# Altium PCB freq_conv_test_unit_pcb (2).PcbDoc
Units mm, origin at the board's own origin, x right, y up, seen from the top; angles counter-clockwise.
Board outline 171.32 x 127.1 mm, 2 copper layers (Top Layer, Bottom Layer), stack 1.671 mm thick; 110 components, 67 nets, 300 pads, 0 vias.
Unrouted connection lines stored in the file: 154.
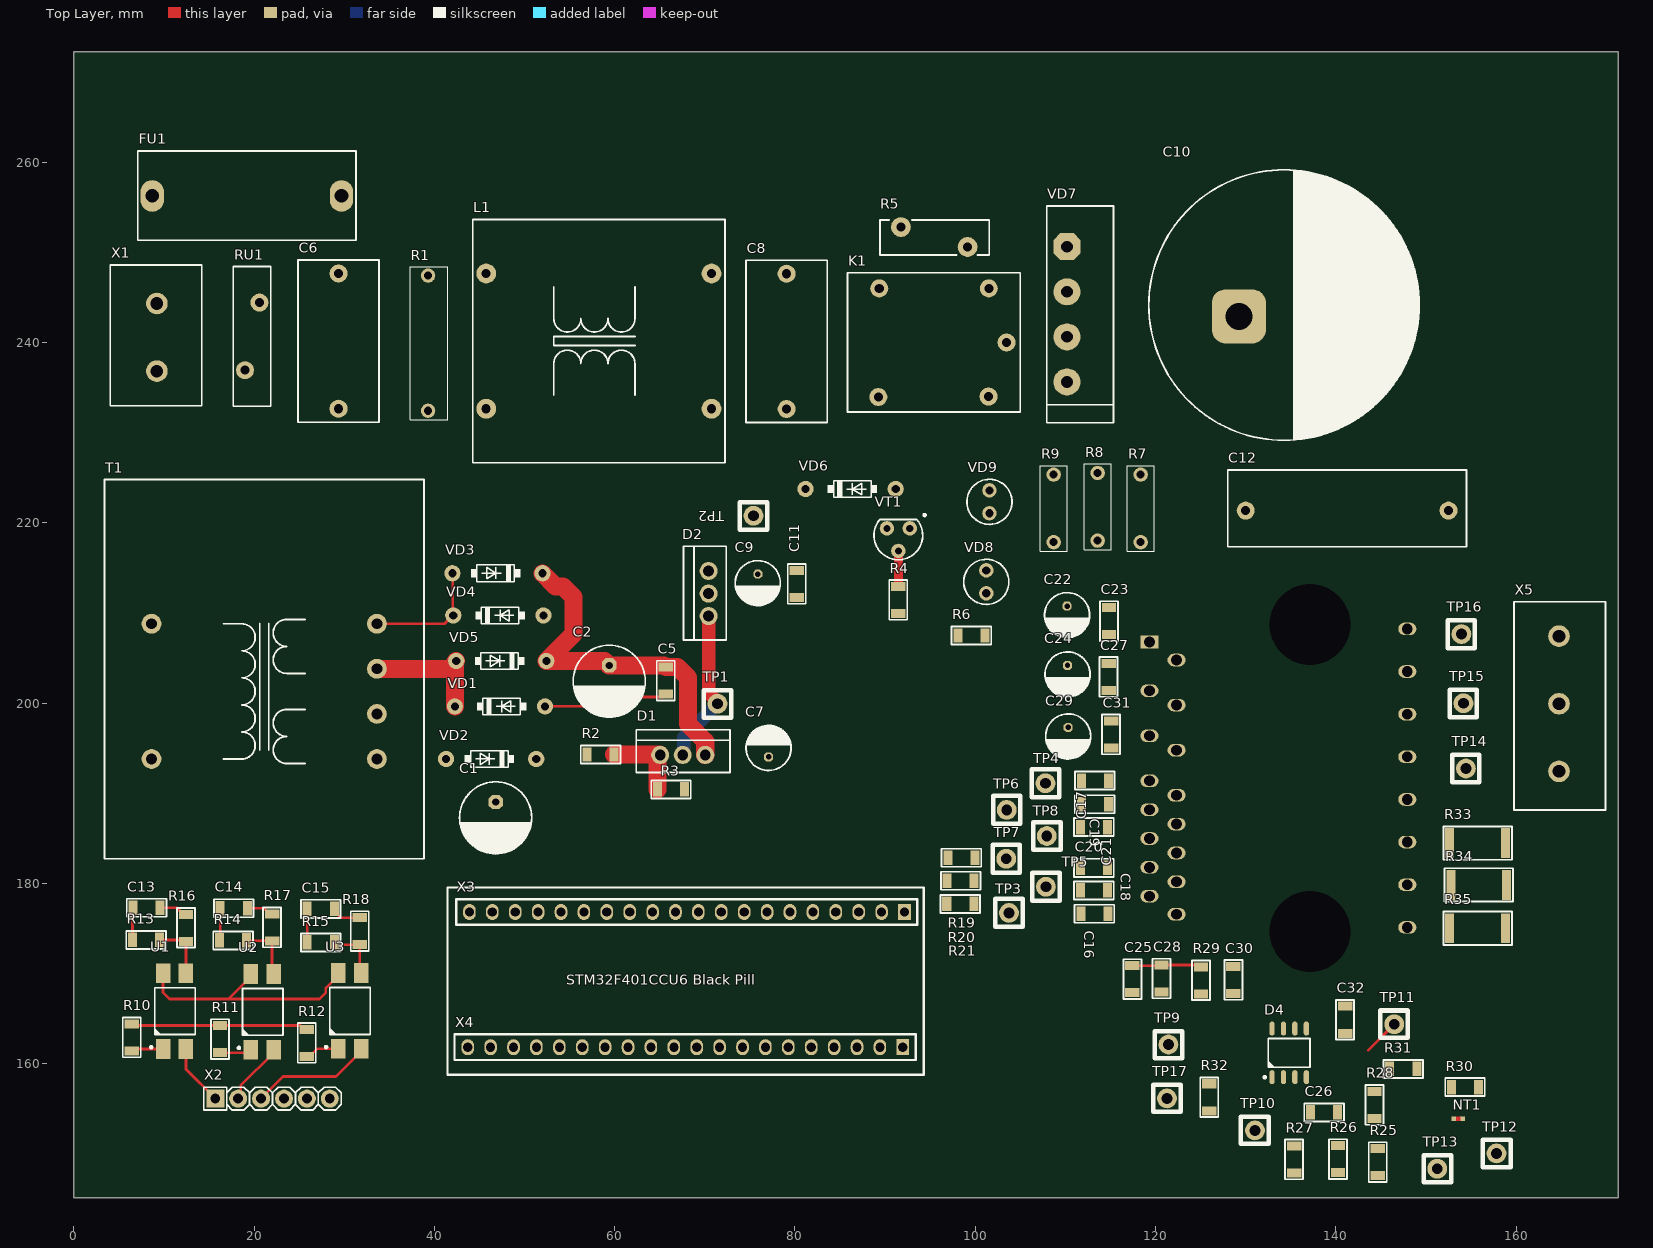
[diagram p0: Top Layer view]
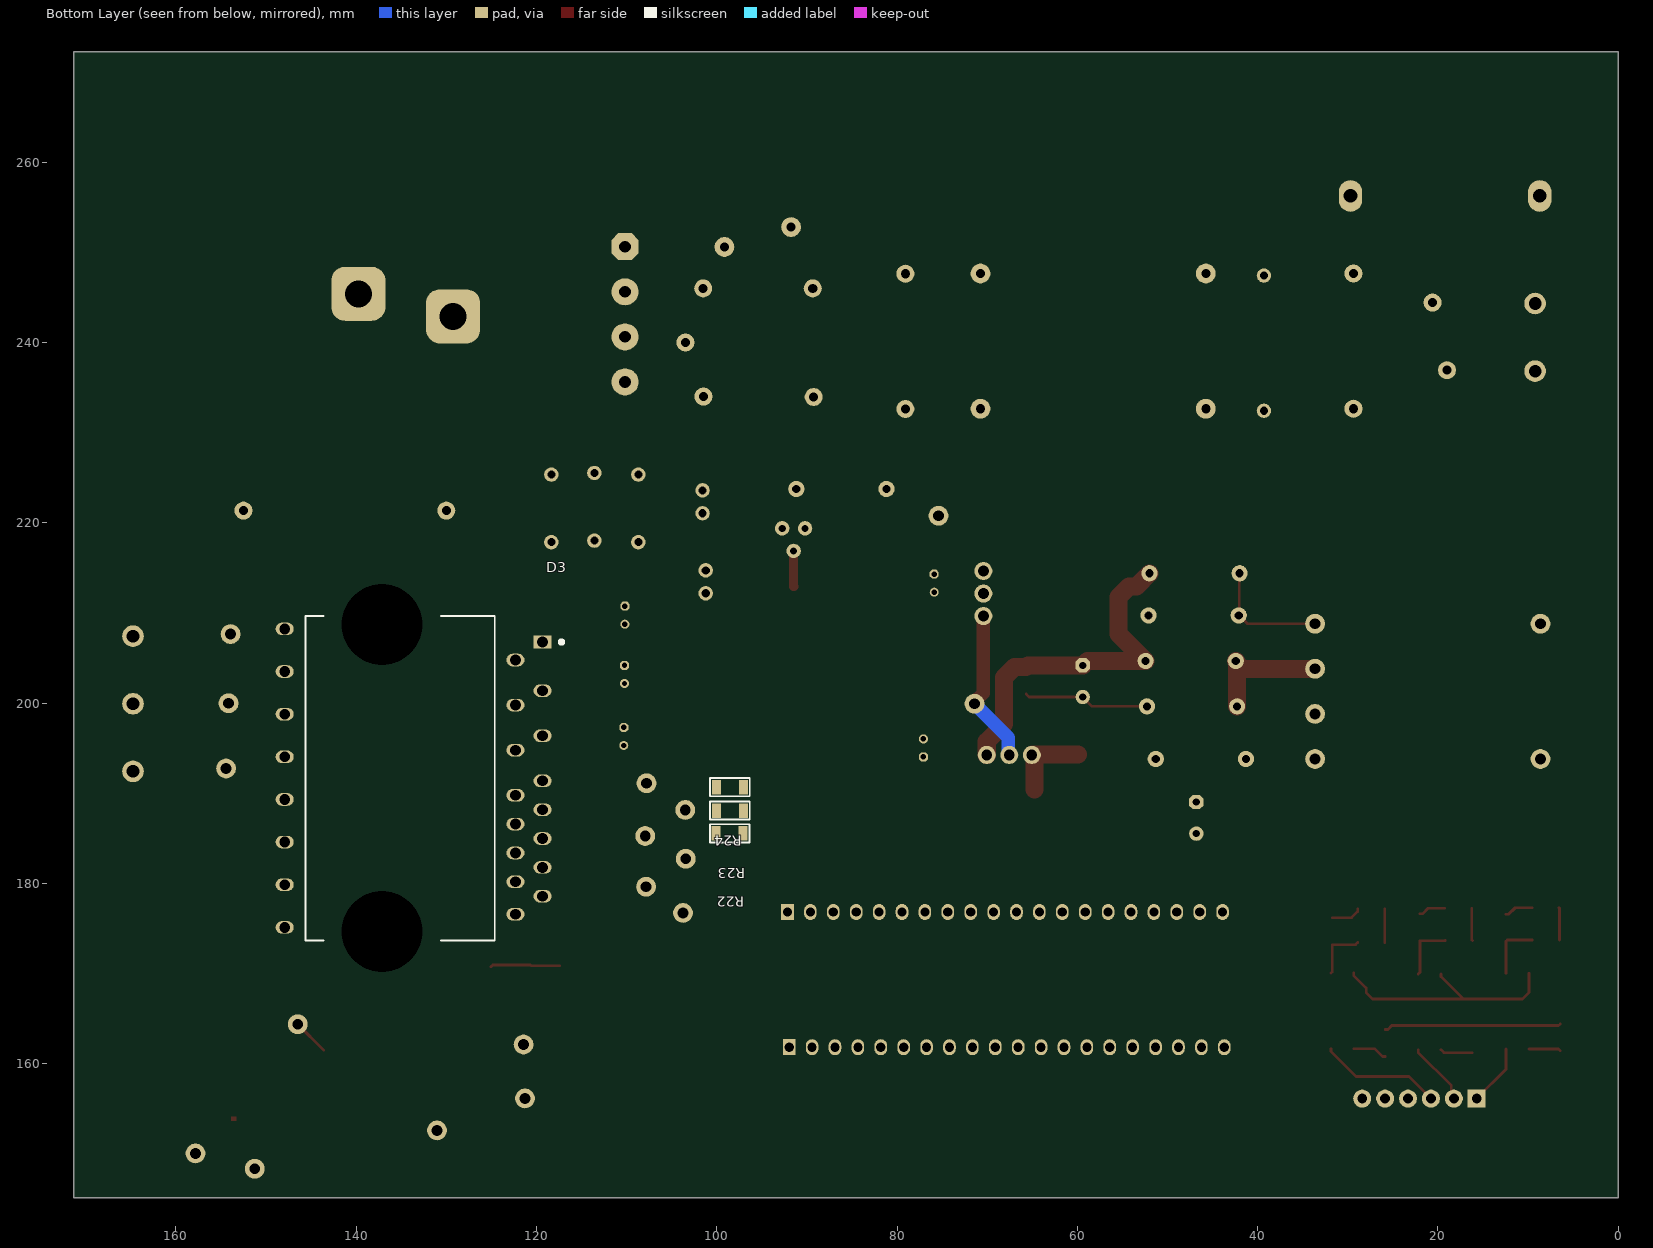
[diagram p1: Bottom Layer view, seen from below]

## Layer stack, top to bottom
Top Solder: solder mask 0.0102, Solder Resist, Dk 3.5
Top Layer: signal copper 0.0356
Dielectric 1: dielectric 1.6, FR-4, Dk 4.8
Bottom Layer: signal copper 0.0356
Bottom Solder: solder mask 0.0102, Solder Resist, Dk 3.5

## Board outline
0,145.15 0,272.25 171.325,272.25 171.325,145.15

## Design rules (kind name [scope] priority, off if disabled: settings)
AcuteAngle [All] p1: minimum=3.50000000000000E+0001 checktracksonly=FALSE
BoardOutlineClearance "BoardOutlineClearance 1" [All] p1: gap=0.25 ignorepadtopadclearanceinfootprint=FALSE except(0: Arc-SplitContinuation Track-SplitContinuation SMDPad-SplitContinuation THPad-SplitContinuation Via-SplitContinuation Fill-SplitContinuation Poly-SplitContinuation Region-SplitContinuation Text-SplitContinuation) // Milling
BoardOutlineClearance "BoardOutlineClearance 2" [All] p2: gap=0.4 ignorepadtopadclearanceinfootprint=FALSE except(0: Arc-SplitContinuation Track-SplitContinuation SMDPad-SplitContinuation THPad-SplitContinuation Via-SplitContinuation Fill-SplitContinuation Poly-SplitContinuation Region-SplitContinuation Text-SplitContinuation) // V-Cut
Clearance Clearance_jlcpcb [All] p1: gap=0.254 ignorepadtopadclearanceinfootprint=FALSE except(0.127: Arc-Arc Arc-Track Track-Track SMDPad-SMDPad; 0.15: Arc-Text Track-Text SMDPad-Text THPad-Text Via-Text Fill-Text Poly-Text Region-Text Text-Text; 0.203: Arc-SMDPad Track-SMDPad SMDPad-THPad; 0.33: THPad-Via; 0.5: THPad-THPad) // Standart
Clearance "Clearance 3 Oz" [All] p2: gap=0.35 ignorepadtopadclearanceinfootprint=FALSE except(0.25: Arc-Hole Track-Hole SMDPad-Hole THPad-Hole Via-Hole Fill-Hole Poly-Hole Region-Hole Text-Hole)
Clearance "Clearance 2 Oz" [All] p3: gap=0.3 ignorepadtopadclearanceinfootprint=FALSE except(0.25: Arc-Hole Track-Hole SMDPad-Hole THPad-Hole Via-Hole Fill-Hole Poly-Hole Region-Hole Text-Hole)
Clearance "Clearance-1 1 Oz" [All] p4: gap=0.2 ignorepadtopadclearanceinfootprint=FALSE except(0.25: Arc-Hole Track-Hole SMDPad-Hole THPad-Hole Via-Hole Fill-Hole Poly-Hole Region-Hole Text-Hole) // Standart
Clearance "Clearance-2 1 Oz" [All] p5: gap=0.15 ignorepadtopadclearanceinfootprint=FALSE except(0.2: Arc-Fill Arc-Poly Track-Fill Track-Poly SMDPad-Fill SMDPad-Poly THPad-Fill THPad-Poly Via-Fill Via-Poly Fill-Fill Fill-Poly Poly-Poly; 0.25: Arc-Hole Track-Hole SMDPad-Hole THPad-Hole Via-Hole Fill-Hole Poly-Hole Region-Hole Text-Hole) // Advance
Clearance "Clearance-1 1/2 Oz" [All] p6: gap=0.125 ignorepadtopadclearanceinfootprint=FALSE except(0.2: Arc-Fill Arc-Poly Track-Fill Track-Poly SMDPad-SMDPad SMDPad-Fill SMDPad-Poly THPad-Fill THPad-Poly Via-Fill Via-Poly Fill-Fill Fill-Poly Poly-Poly Poly-Region Poly-Text; 0.25: Arc-Hole Track-Hole SMDPad-Hole THPad-Hole Via-Hole Fill-Hole Poly-Hole Region-Hole Text-Hole) // Standart
Clearance "Clearance-2 1/2 Oz" [All] p7: gap=0.1 ignorepadtopadclearanceinfootprint=FALSE except(0.15: Arc-Fill Arc-Poly Track-Fill Track-Poly SMDPad-SMDPad SMDPad-Fill SMDPad-Poly THPad-Fill THPad-Poly Via-Fill Via-Poly Fill-Fill Fill-Poly Poly-Poly Poly-Region Poly-Text; 0.25: Arc-Hole Track-Hole SMDPad-Hole THPad-Hole Via-Hole Fill-Hole Poly-Hole Region-Hole Text-Hole) // Advance
DiffPairsRouting "DiffPairsRouting 1 Oz" [All] p1: maxlimit=0.254 minlimit=0.2 mostfreqgap=0.254 toplayer_minwidth=0.2 toplayer_maxwidth=0.381 toplayer_prefwidth=0.381 bottomlayer_minwidth=0.2 bottomlayer_maxwidth=0.381 bottomlayer_prefwidth=0.381 maxuncoupledlength=12.7
DiffPairsRouting "DiffPairsRouting 1/2 Oz" [All] p2: maxlimit=0.254 minlimit=0.1 mostfreqgap=0.254 toplayer_minwidth=0.1 toplayer_maxwidth=0.381 toplayer_prefwidth=0.381 bottomlayer_minwidth=0.1 bottomlayer_maxwidth=0.381 bottomlayer_prefwidth=0.381 maxuncoupledlength=12.7
Height [All] p1: minheight=0 maxheight=50 prefheight=12.7
HoleSize "Minimum HoleSize" [IsPad] p1: absolutevalues=TRUE maxlimit=5.9 minlimit=0.6 maxpercent=80.000 minpercent=20.000
HoleSize "Minimum HoleSize VIA 1" [IsVia] p2: absolutevalues=TRUE maxlimit=5.9 minlimit=0.3 maxpercent=80.000 minpercent=20.000 // Standart
HoleSize "Minimum HoleSize VIA 2" [IsVia] p3: absolutevalues=TRUE maxlimit=5.9 minlimit=0.2 maxpercent=80.000 minpercent=20.000 // Advance
HoleToHoleClearance Hole2HoleClearance [All] p1: gap=0.25 allowstackedmicrovias=FALSE
MinimumAnnularRing "Minimum AR VIA Standart" [IsVia] p1: minimumring=0.15
MinimumAnnularRing "Minimum AR PAD Standart" [IsPAD] p2: minimumring=0.2
MinimumAnnularRing "Minimum AR VIA Advance" [IsVia] p3: minimumring=0.1
MinimumAnnularRing "Minimum AR PAD Advance" [IsPAD] p4: minimumring=0.15
MinimumSolderMaskSliver "SolderMask Bridge Standart" [All] p1: minsoldermaskwidth=0.15 // All Masks
MinimumSolderMaskSliver "SolderMask Bridge Advance" [All] p2: minsoldermaskwidth=0.1 // Mask LDI
PlaneClearance "PlaneClearance 3 Oz" [All] p1: clearance=0.35
PlaneClearance "PlaneClearance 2 Oz" [All] p2: clearance=0.3
PlaneClearance "PlaneClearance 1 Oz" [All] p3: clearance=0.2
PlaneClearance "PlaneClearance-1 1/2 Oz" [All] p4: clearance=0.2 // Standart
PlaneClearance "PlaneClearance-2 1/2 Oz" [All] p5: clearance=0.15 // Advance
PlaneConnect "TermalConnect 3 Oz" [All] p1: planeconnectstyle=Relief reliefexpansion=0.2 reliefentries=4 reliefconductorwidth=0.35 reliefairgap=0.35 // Standart
PlaneConnect "TermalConnect 2 Oz" [All] p2: planeconnectstyle=Relief reliefexpansion=0.2 reliefentries=4 reliefconductorwidth=0.3 reliefairgap=0.3 // Standart
PlaneConnect "TermalConnect-1 1 Oz" [All] p3: planeconnectstyle=Relief reliefexpansion=0.2 reliefentries=4 reliefconductorwidth=0.2 reliefairgap=0.2 // Standart
PlaneConnect "TermalConnect-2 1 Oz" [All] p4: pad.planeconnectstyle=Relief pad.reliefexpansion=0.15 pad.reliefentries=4 pad.reliefconductorwidth=0.2 pad.reliefairgap=0.2 via.planeconnectstyle=Direct via.reliefexpansion=0.15 via.reliefentries=4 via.reliefconductorwidth=0.15 via.reliefairgap=0.15 // Advance
PlaneConnect "TermalConnect-1 1/2 Oz" [All] p5: planeconnectstyle=Relief reliefexpansion=0.2 reliefentries=4 reliefconductorwidth=0.2 reliefairgap=0.2 // Standart
PlaneConnect "TermalConnect-2 1/2 Oz" [All] p6: pad.planeconnectstyle=Relief pad.reliefexpansion=0.15 pad.reliefentries=4 pad.reliefconductorwidth=0.15 pad.reliefairgap=0.15 via.planeconnectstyle=Direct via.reliefexpansion=0.15 via.reliefentries=4 via.reliefconductorwidth=0.15 via.reliefairgap=0.15 // Advance
PolygonConnect "PolygonConnect 3 Oz" [All] p1: thpad.connectstyle=Relief thpad.reliefconductorwidth=0.35 thpad.reliefentries=4 thpad.polygonreliefangle="90 Angle" thpad.airgapwidth=0.35 smdpad.connectstyle=Relief smdpad.reliefconductorwidth=0.35 smdpad.reliefentries=4 smdpad.polygonreliefangle="90 Angle" smdpad.airgapwidth=0.35 via.connectstyle=Direct via.reliefconductorwidth=0.254 via.reliefentries=4 via.polygonreliefangle="90 Angle" via.airgapwidth=0.254
PolygonConnect "PolygonConnect 2 Oz" [All] p2: thpad.connectstyle=Relief thpad.reliefconductorwidth=0.3 thpad.reliefentries=4 thpad.polygonreliefangle="90 Angle" thpad.airgapwidth=0.3 smdpad.connectstyle=Relief smdpad.reliefconductorwidth=0.3 smdpad.reliefentries=4 smdpad.polygonreliefangle="90 Angle" smdpad.airgapwidth=0.3 via.connectstyle=Direct via.reliefconductorwidth=0.254 via.reliefentries=4 via.polygonreliefangle="90 Angle" via.airgapwidth=0.254
PolygonConnect "PolygonConnect-1 1 Oz" [All] p3: thpad.connectstyle=Relief thpad.reliefconductorwidth=0.2 thpad.reliefentries=4 thpad.polygonreliefangle="90 Angle" thpad.airgapwidth=0.2 smdpad.connectstyle=Relief smdpad.reliefconductorwidth=0.2 smdpad.reliefentries=4 smdpad.polygonreliefangle="90 Angle" smdpad.airgapwidth=0.2 via.connectstyle=Direct via.reliefconductorwidth=0.254 via.reliefentries=4 via.polygonreliefangle="90 Angle" via.airgapwidth=0.254 // Standart
PolygonConnect "PolygonConnect-2 1 Oz" [All] p4: thpad.connectstyle=Relief thpad.reliefconductorwidth=0.15 thpad.reliefentries=4 thpad.polygonreliefangle="90 Angle" thpad.airgapwidth=0.15 smdpad.connectstyle=Relief smdpad.reliefconductorwidth=0.15 smdpad.reliefentries=4 smdpad.polygonreliefangle="90 Angle" smdpad.airgapwidth=0.15 via.connectstyle=Direct via.reliefconductorwidth=0.254 via.reliefentries=4 via.polygonreliefangle="90 Angle" via.airgapwidth=0.254 // Advance
PolygonConnect "PolygonConnect-1 1/2 Oz" [All] p5: thpad.connectstyle=Relief thpad.reliefconductorwidth=0.15 thpad.reliefentries=4 thpad.polygonreliefangle="90 Angle" thpad.airgapwidth=0.2 smdpad.connectstyle=Relief smdpad.reliefconductorwidth=0.2 smdpad.reliefentries=4 smdpad.polygonreliefangle="90 Angle" smdpad.airgapwidth=0.2 via.connectstyle=Direct via.reliefconductorwidth=0.254 via.reliefentries=4 via.polygonreliefangle="90 Angle" via.airgapwidth=0.254 // Standart
PolygonConnect "PolygonConnect-2 1/2 Oz" [All] p6: thpad.connectstyle=Relief thpad.reliefconductorwidth=0.125 thpad.reliefentries=4 thpad.polygonreliefangle="90 Angle" thpad.airgapwidth=0.15 smdpad.connectstyle=Relief smdpad.reliefconductorwidth=0.125 smdpad.reliefentries=4 smdpad.polygonreliefangle="90 Angle" smdpad.airgapwidth=0.15 via.connectstyle=Direct via.reliefconductorwidth=0.254 via.reliefentries=4 via.polygonreliefangle="90 Angle" via.airgapwidth=0.254 // Advance
RoutingCorners [All] p1 off: cornerstyle=45-Degree minsetback=2.54 maxsetback=2.54
RoutingVias [All] p1: holewidth=0.3 width=0.6 viastyle="Through Hole" minholewidth=0.2 minwidth=0.4 maxholewidth=5.9 maxwidth=6.4
SilkToSilkClearance Silk2SilkClearance [All] p1 off: silktosilkclearance=0.15
SilkToSolderMaskClearance Silk2SolderMaskClearance [IsPad] p1 off: minsilkscreentomaskgap=0.15 clearancetoexposedcopper=TRUE
SolderMaskExpansion SolderMaskExpansion-1 [All] p1: expansion=0.05 istentingtop=FALSE // Standart
SolderMaskExpansion "SolderMaskExpansion LDI" [All] p2: expansion=0.025 istentingtop=FALSE // Advance
UnRoutedNet [All] p1: checkbadconnections=TRUE
Width Width_jlcpcb [All] p1: maxlimit=10 minlimit=0.127 preferedwidth=0.203 minimp=50.000000 maximp=50.000000 favimp=50.000000 checkconnectedcopper=TRUE
Width "Width 3 Oz" [All] p2: maxlimit=10 minlimit=0.35 preferedwidth=0.4 checkconnectedcopper=TRUE
Width "Width 2 Oz" [All] p3: maxlimit=10 minlimit=0.3 preferedwidth=0.35 minimp=50.000000 maximp=50.000000 favimp=50.000000 checkconnectedcopper=TRUE
Width "Width 1 Oz" [All] p4: maxlimit=10 minlimit=0.15 preferedwidth=0.2 checkconnectedcopper=TRUE
Width "Width 1/2 Oz" [All] p5: maxlimit=10 minlimit=0.1 preferedwidth=0.125 checkconnectedcopper=TRUE
19 further rules are at their usual default settings.

## Classes and differential pairs
component class Sheet2: C13 C14 C15 C16 C17 C18 C19 C20 C21 C22 C23 C24 C25 C26 C27 C28 C29 C30 C31 C32 D3 D4 NT1 R10 R11 R12 R13 R14 R15 R16 R17 R18 R19 R20 R21 R22 R23 R24 R25 R26 R27 R28 R29 R30 R31 R32 R33 R34 R35 TP3 TP4 TP5 TP6 TP7 TP8 TP9 TP10 TP11 TP12 TP13 TP14 TP15 TP16 TP17 U1 U2 U3 X2 X3 X4 X5
component class Sheet1: C1 C2 C5 C6 C7 C8 C9 C10 C11 C12 D1 D2 FU1 K1 L1 R1 R2 R3 R4 R5 R6 R7 R8 R9 RU1 T1 TP1 TP2 VD1 VD2 VD3 VD4 VD5 VD6 VD7 VD8 VD9 VT1 X1

## Components (designator, comment, footprint, x,y, rotation, side; value= is the part's Value field where it differs from the comment)
C1 "Aluminium capacitor, 220μF, 25V, ±20%, 54mOhm, 8x12x3.5 mm, -40...+105°C" "CAP: D8C3.5H12" 46.8,187.275 r270 top value=220μF
C2 "Aluminium capacitor, 220μF, 35V, ±20%, 54mOhm, 8x12x3.5 mm, -40...+105°C" "CAP: D8C3.5H12" 59.4,202.425 r270 top value=220μF
C5 "Ceramic capacitor, 0.1μF, X7R, ±10%, 50V, 1206, -55...+125°C" "CAP: 1206" 65.675,202.5 r90 top value=0.1μF
C6 "Film capacitor X2, 0.33μF, 305V, ±10%, ?, 18x14x8, -40...+110°C" "CAP: B32922" 29.375,240.15 r270 top value=0.33μF
C7 "Aluminium capacitor, 10μF, 25V, ±20%, 54mOhm, ?, -40...+105°C" "CAP: D5C2H11" 77.075,195.025 r90 top value=10μF
C8 "Film capacitor X2, 0.33μF, 305V, ±10%, ?, 18x14x8, -40...+110°C" "CAP: B32922" 79.075,240.125 r270 top value=0.33μF
C9 "Aluminium capacitor, 10μF, 25V, ±20%, 54mOhm, ?, -40...+105°C" "CAP: D5C2H11" 75.875,213.3 r270 top value=10μF
C10 "Aluminium capacitor, 680μF, 400V, ±20%, ?, 30x10x60 mm, -25...+105°C" "CAP: D30C10H37" 129.25,242.9 r0 top value=680μF
C11 "Ceramic capacitor, 0.1μF, X7R, ±10%, 50V, 1206, -55...+125°C" "CAP: 1206" 80.2,213.225 r90 top value=0.1μF
C12 "Film capacitor, 0.1μF, 400VDC, ±10%, ?, 26.5x16.5x8.5 mm, -55...+100°C" "CAP: B32673" 130,221.35 r0 top value=0.1μF
C13 "Ceramic capacitor, 10nF, X7R, ±10%, 50V, 1206, -55...+125°C" "CAP: 1206" 8.075,177.3 r0 top value=10nF
C14 "Ceramic capacitor, 10nF, X7R, ±10%, 50V, 1206, -55...+125°C" "CAP: 1206" 17.75,177.25 r0 top value=10nF
C15 "Ceramic capacitor, 10nF, X7R, ±10%, 50V, 1206, -55...+125°C" "CAP: 1206" 27.4,177.175 r0 top value=10nF
C16 "Ceramic capacitor, 1nF, X7R, ±10%, 50V, 1206, -55...+125°C" "CAP: 1206" 113.213,176.625 r0 top value=1nF
C17 "Ceramic capacitor, 1nF, X7R, ±10%, 50V, 1206, -55...+125°C" "CAP: 1206" 113.263,191.4 r180 top value=1nF
C18 "Ceramic capacitor, 1nF, X7R, ±10%, 50V, 1206, -55...+125°C" "CAP: 1206" 113.163,179.225 r0 top value=1nF
C19 "Ceramic capacitor, 1nF, X7R, ±10%, 50V, 1206, -55...+125°C" "CAP: 1206" 113.263,188.775 r180 top value=1nF
C20 "Ceramic capacitor, 1nF, X7R, ±10%, 50V, 1206, -55...+125°C" "CAP: 1206" 113.163,181.725 r0 top value=1nF
C21 "Ceramic capacitor, 1nF, X7R, ±10%, 50V, 1206, -55...+125°C" "CAP: 1206" 113.163,186.25 r180 top value=1nF
C22 "Aluminium capacitor, 10μF, 25V, ±20%, 54mOhm, ?, -40...+105°C" "CAP: D5C2H11" 110.188,209.75 r270 top value=10μF
C23 "Ceramic capacitor, 0.1μF, X7R, ±10%, 50V, 1206, -55...+125°C" "CAP: 1206" 114.838,209.1 r270 top value=0.1μF
C24 "Aluminium capacitor, 10μF, 25V, ±20%, 54mOhm, ?, -40...+105°C" "CAP: D5C2H11" 110.238,203.175 r270 top value=10μF
C25 "Ceramic capacitor, 0.1μF, X7R, ±10%, 50V, 1206, -55...+125°C" "CAP: 1206" 117.438,169.375 r270 top value=0.1μF
C26 "Ceramic capacitor, 0.1μF, X7R, ±10%, 50V, 1206, -55...+125°C" "CAP: 1206" 138.688,154.6 r0 top value=0.1μF
C27 "Ceramic capacitor, 0.1μF, X7R, ±10%, 50V, 1206, -55...+125°C" "CAP: 1206" 114.788,202.9 r270 top value=0.1μF
C28 "Ceramic capacitor, 4.7nF, X7R, ±10%, 50V, 1206, -55...+125°C" "CAP: 1206" 120.663,169.45 r270 top value=4.7nF
C29 "Aluminium capacitor, 10μF, 25V, ±20%, 54mOhm, ?, -40...+105°C" "CAP: D5C2H11" 110.313,196.3 r270 top value=10μF
C30 "Ceramic capacitor, 4.7nF, X7R, ±10%, 50V, 1206, -55...+125°C" "CAP: 1206" 128.638,169.3 r270 top value=4.7nF
C31 "Ceramic capacitor, 0.1μF, X7R, ±10%, 50V, 1206, -55...+125°C" "CAP: 1206" 115.063,196.525 r270 top value=0.1μF
C32 "Ceramic capacitor, 0.1μF, X7R, ±10%, 50V, 1206, -55...+125°C" "CAP: 1206" 141.025,164.875 r90 top value=0.1μF
D1 "" TO-220F 67.55,194.25 r0 top
D2 "" TO-220F 70.425,212.15 r90 top
D3 "600 V, 15 A three-phase intelligent power module, , , 15A, , 450V, -40...+125°C, IKCM15F60GA" "INF-CIPOS MINI" 133.625,191.675 r270 bottom
D4 "IC comparator, Rail-to-Rail, 2...36 V, ±1...±18 V, 0…70°C, SOP-8" 8-SOIC 134.825,161.2 r90 top
FU1 "#NAME?" "FUSE: FH-101" 19.2,256.25 r0 top
K1 "SRD-05VDC-SL-C" SRD-05VDC-SL-C 95.975,240.125 r0 top
L1 "Fixed inductor, 2.7mH, ±30%, B82723A, CuNi18Zn20," "IND: B82723A" 45.75,247.65 r0 top value=2.7mH
NT1 "Net_Tie" "NET TIE 0.5_1.5" 153.588,153.875 r0 top
R1 "" "RES: Axial 15mm" 39.3,232.425 r90 top value=1M
R2 "Resistor film, 100R, ±5%, 1206, 0.25W, -55...+125°C" "RES: 1206" 58.45,194.3 r0 top value=100R
R3 "Resistor film, 100R, ±5%, 1206, 0.25W, -55...+125°C" "RES: 1206" 66.25,190.425 r0 top value=100R
R4 "Resistor film, 100R, ±5%, 1206, 0.25W, -55...+125°C" "RES: 1206" 91.45,211.45 r90 top value=100R
R5 "NTC resistor, 33, ±20%, pitch 7.5mm, 2.5A, -55...+170°C" "RES: B57237 (NTC)" 99.45,251.7 r180 top value=33
R6 "Resistor film, 100R, ±5%, 1206, 0.25W, -55...+125°C" "RES: 1206" 99.575,207.5 r180 top value=100R
R7 "" "RES: Axial 7.62MM" 118.35,217.85 r90 top value=150k
R8 "" "RES: Axial 7.62MM" 113.575,225.525 r270 top value=150k
R9 "" "RES: Axial 7.62MM" 108.7,217.85 r90 top value=150k
R10 "Resistor film, 4.7k, ±5%, 1206, 0.25W, -55...+125°C" "RES: 1206" 6.425,162.925 r270 top value=4.7k
R11 "Resistor film, 4.7k, ±5%, 1206, 0.25W, -55...+125°C" "RES: 1206" 16.225,162.725 r270 top value=4.7k
R12 "Resistor film, 4.7k, ±5%, 1206, 0.25W, -55...+125°C" "RES: 1206" 25.85,162.3 r270 top value=4.7k
R13 "Resistor film, 2k, ±5%, 1206, 0.25W, -55...+125°C" "RES: 1206" 8.025,173.725 r0 top value=2k
R14 "Resistor film, 2k, ±5%, 1206, 0.25W, -55...+125°C" "RES: 1206" 17.675,173.675 r0 top value=2k
R15 "Resistor film, 2k, ±5%, 1206, 0.25W, -55...+125°C" "RES: 1206" 27.4,173.45 r0 top value=2k
R16 "Resistor film, 10k, ±5%, 1206, 0.25W, -55...+125°C" "RES: 1206" 12.45,175.075 r270 top value=10k
R17 "Resistor film, 10k, ±5%, 1206, 0.25W, -55...+125°C" "RES: 1206" 22,175.125 r270 top value=10k
R18 "Resistor film, 10k, ±5%, 1206, 0.25W, -55...+125°C" "RES: 1206" 31.725,174.7 r270 top value=10k
R19 "Resistor film, 100, ±5%, 1206, 0.25W, -55...+125°C" "RES: 1206" 98.338,177.725 r0 top value=100
R20 "Resistor film, 100, ±5%, 1206, 0.25W, -55...+125°C" "RES: 1206" 98.388,180.3 r0 top value=100
R21 "Resistor film, 100, ±5%, 1206, 0.25W, -55...+125°C" "RES: 1206" 98.463,182.85 r0 top value=100
R22 "Resistor film, 100, ±5%, 1206, 0.25W, -55...+125°C" "RES: 1206" 98.563,185.55 r0 bottom value=100
R23 "Resistor film, 100, ±5%, 1206, 0.25W, -55...+125°C" "RES: 1206" 98.538,188.075 r0 bottom value=100
R24 "Resistor film, 100, ±5%, 1206, 0.25W, -55...+125°C" "RES: 1206" 98.538,190.675 r0 bottom value=100
R25 "Resistor film, 100, ±5%, 1206, 0.25W, -55...+125°C" "RES: 1206" 144.65,149.075 r90 top value=100
R26 "Resistor film, 100, ±5%, 1206, 0.25W, -55...+125°C" "RES: 1206" 140.238,149.425 r90 top value=100
R27 "Resistor film, 100, ±5%, 1206, 0.25W, -55...+125°C" "RES: 1206" 135.363,149.375 r90 top value=100
R28 "Resistor film, 1k, ±5%, 1206, 0.25W, -55...+125°C" "RES: 1206" 144.288,155.425 r90 top value=1k
R29 "Resistor film, 3.6k, ±5%, 1206, 0.25W, -55...+125°C" "RES: 1206" 125.038,169.25 r270 top value=3.6k
R30 "Resistor film, 24k, ±5%, 1206, 0.25W, -55...+125°C" "RES: 1206" 154.325,157.4 r0 top value=24k